# Altium PCB MCU.PcbDoc (continued)
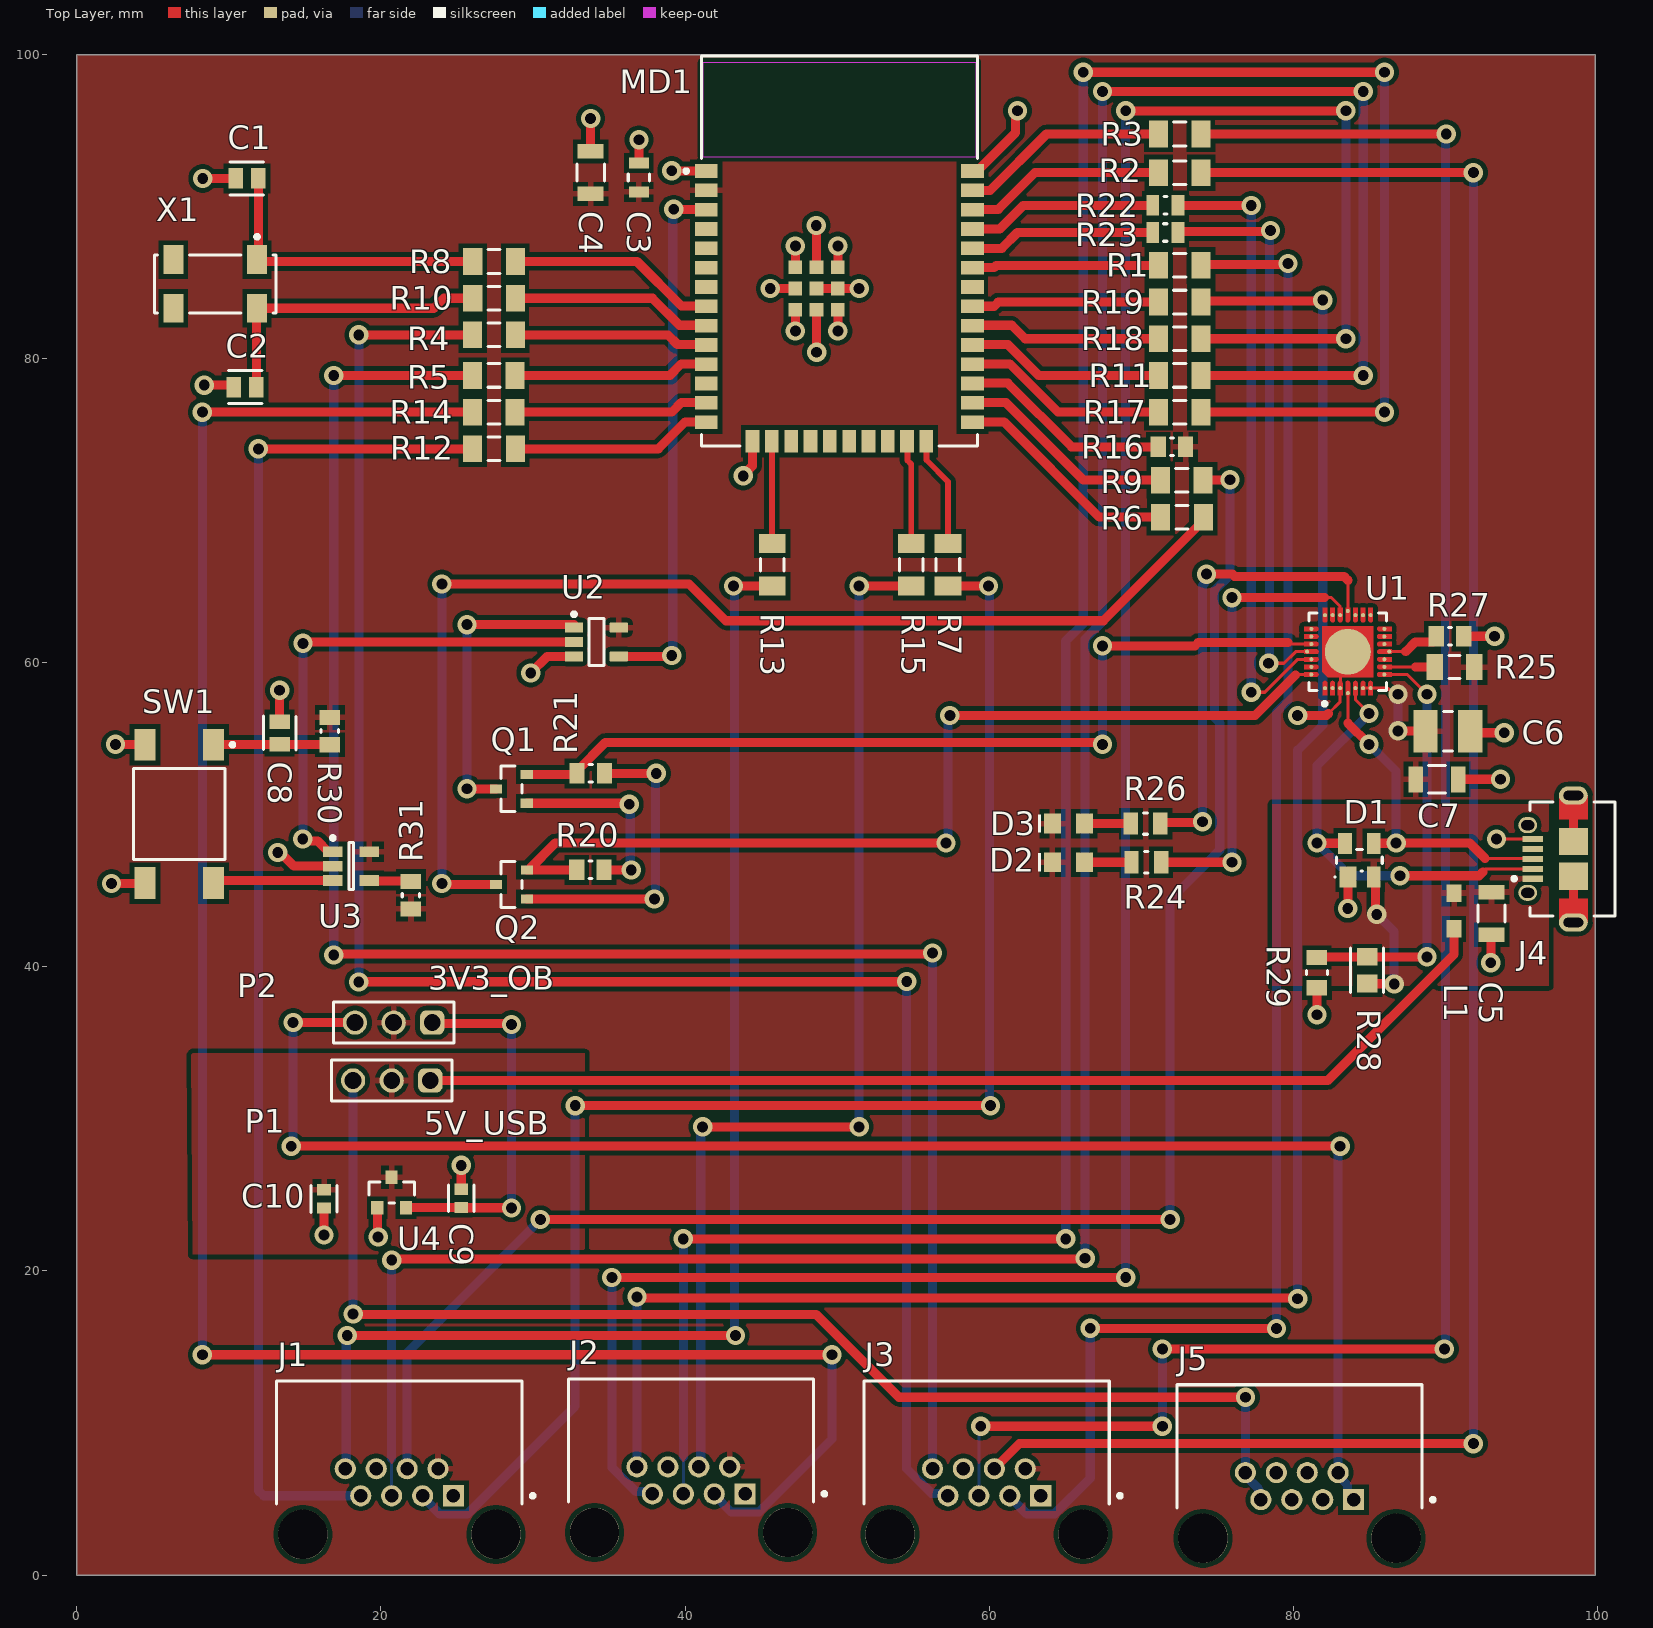
[diagram p0: Top Layer view]
## Part data (continued)
R22 R23: library part CMP-2001-04896-1, Case/Package=0805, Manufacturer="Vishay Dale", Max Operating Temperature=155°C, Min Operating Temperature=-55°C, Package Height=0.45mm, Package Length=2mm, Package Shape=Rectangular, Package Style=SMTMeter, Package Width=1.25mm, Power=125mW, Rated Temperature=70°C, Resistor Type="FIXED RESISTOR", Supplier Part Number=541-0.0ACT-ND, Category="Chip SMD Resistors", ComponentLink1Description=https://datasheet.ciiva.com:443/pdfs/VipMasterIC/IC/VISH/VISH-S-A0007266705/VISH-S-A0007266705-1.pdf?src-supplier=IHS+Markit, ComponentLink1URL=https://datasheet.ciiva.com:443/pdfs/VipMasterIC/IC/VISH/VISH-S-A0007266705/VISH-S-A0007266705-1.pdf?src-supplier=IHS+Markit, ComponentLink2Description=https://datasheet.ciiva.com/11811/0900766b80d98b26-11811304.pdf?src-supplier=Rs, ComponentLink2URL=https://datasheet.ciiva.com/11811/0900766b80d98b26-11811304.pdf?src-supplier=Rs, ComponentLink3Description=https://datasheet.ciiva.com/7841/1720486-7841839.pdf?src-supplier=Element14, ComponentLink3URL=https://datasheet.ciiva.com/7841/1720486-7841839.pdf?src-supplier=Element14, ComponentLink4Description=https://datasheet.ciiva.com/26314/fld-crcw-e3-data-en-26314630.pdf?src-supplier=Distrelec, ComponentLink4URL=https://datasheet.ciiva.com/26314/fld-crcw-e3-data-en-26314630.pdf?src-supplier=Distrelec, ComponentLink5Description=https://datasheet.ciiva.com/7841/1697337-7841629.pdf?src-supplier=Element14, ComponentLink5URL=https://datasheet.ciiva.com/7841/1697337-7841629.pdf?src-supplier=Element14, ComponentLink6Description=https://datasheet.ciiva.com/2463/dcrcwe3-2463038.pdf?src-supplier=Digikey, ComponentLink6URL=https://datasheet.ciiva.com/2463/dcrcwe3-2463038.pdf?src-supplier=Digikey, ComponentLink7Description=https://datasheet.ciiva.com/2463/dcrcwe3-2463039.pdf?src-supplier=Digikey, ComponentLink7URL=https://datasheet.ciiva.com/2463/dcrcwe3-2463039.pdf?src-supplier=Digikey, ComponentLink8Description=https://datasheet.ciiva.com/2463/dcrcwe3-2463037.pdf?src-supplier=Digikey, ComponentLink8URL=https://datasheet.ciiva.com/2463/dcrcwe3-2463037.pdf?src-supplier=Digikey, ComponentLink9Description=https://datasheet.ciiva.com/16719/70201119-16719706.pdf?src-supplier=Allied+Electronics, ComponentLink9URL=https://datasheet.ciiva.com/16719/70201119-16719706.pdf?src-supplier=Allied+Electronics, ComponentLink10Description=https://datasheet.ciiva.com/5543/dcrcwe3-109170-5543096.pdf?src-supplier=Mouser, ComponentLink10URL=https://datasheet.ciiva.com/5543/dcrcwe3-109170-5543096.pdf?src-supplier=Mouser, ComponentLink11Description=https://datasheet.ciiva.com/16389/dcrcwe3-16389338.pdf?src-supplier=Future+Electronics, ComponentLink11URL=https://datasheet.ciiva.com/16389/dcrcwe3-16389338.pdf?src-supplier=Future+Electronics, Construction=Chip, JESD-609 Code=e3, Manufacturer Part Number=CRCW08050000Z0EA, Mounting Technology="Surface Mount", Packaging="Tape and Reel", Part Number=CRCW08050000Z0EA, Pins=2, Pricing="1=0.1, 10=0.043, 25=0.0324, 50=0.0248, 100=0.0173, 250=0.01392, 500=0.01112, 1000=0.00819 (USD)", Reach SVHC Compliant=Yes, Reference Standard=AEC-Q200, RoHS=Yes, RoHS Compliant=Yes, Stock=996898, Supplier=Digikey, Technology="METAL GLAZE/THICK FILM", Terminal Finish=Nickel, Termination=Wraparound
R24 R26: library part CMP-2001-03823-2, "RES Thick Film, 330Ω, 1%, 0.125W, 100ppm/°C, 0805", Case Code (Imperial)=0805, Case Code (Metric)=2012, Manufacturer=Vishay, Max Operating Temperature=155°C, Max Power Dissipation=125mW, Min Operating Temperature=-55°C, Package Height=0.45mm, Package Length=2mm, Package Quantity=10, Package Shape=Rectangular, Package Style=SMTMeter, Package Width=1.25mm, Rated Temperature=70°C, Resistance=330R, Resistor Type="FIXED RESISTOR", Supplier Part Number=541-330CCT-ND, Temperature Coefficient=100ppm/°C, Tolerance=1%, Voltage Rating=150V, Case/Package=0805, Category="Chip SMD Resistors", ComponentLink1Description=https://datasheet.ciiva.com:443/pdfs/VipMasterIC/IC/VISH/VISH-S-A0007266705/VISH-S-A0007266705-1.pdf?src-supplier=IHS+Markit, ComponentLink1URL=https://datasheet.ciiva.com:443/pdfs/VipMasterIC/IC/VISH/VISH-S-A0007266705/VISH-S-A0007266705-1.pdf?src-supplier=IHS+Markit, Composition="Thick Film", Construction=Chip, Contact Plating=Tin, Depth=1.25mm, Features="Automotive AEC-Q200", Height=0.02inch, JESD-609 Code=e3, Lead Free="Lead Free", Length=2mm, Manufacturer Part Number=CRCW0805330RFKEA, Military Standard=Not, Mount="Surface Mount", Mounting Technology="Surface Mount", Number of Terminations=2, Packaging="Tape and Reel", Pins=2, Power=125mW, Power Rating=125mW, Pricing="1=0.1, 10=0.038, 50=0.0248, 100=0.021, 500=0.01462, 1000=0.01273 (USD)", Reach SVHC Compliant=Yes, Reference Standard=AEC-Q200, RoHS=Yes, RoHS Compliant=Yes, Stock=41783, Supplier=Digikey, Technology="METAL GLAZE/THICK FILM", Terminal Finish=Nickel, Termination=SMD/SMT, Voltage Rating (DC)=150V, Weight=0.000194oz, Width=0.049inch, Working Voltage=150V
R25: library part CMP-2003-02566-1, Case/Package=1206, Manufacturer=Susumu, Max Operating Temperature=155°C, Min Operating Temperature=-55°C, Package Height=0.5mm, Package Length=3.2mm, Package Shape=Rectangular, Package Style=SMTMeter, Package Width=1.6mm, Power=250mW, Rated Temperature=85°C, Resistor Type="FIXED RESISTOR", Supplier Part Number=RG32P2.0KBCT-ND, Temperature Coefficient=25ppm/°C, Tolerance=0.1%, Working Voltage=150V, Additional Feature="ULTRA PRECISION", Category="Chip SMD Resistors", ComponentLink1Description=https://datasheet.ciiva.com:443/pdfs/VipMasterIC/IC/SUSU/SUSUS00222/SUSUS00222-1.pdf?src-supplier=IHS+Markit, ComponentLink1URL=https://datasheet.ciiva.com:443/pdfs/VipMasterIC/IC/SUSU/SUSUS00222/SUSUS00222-1.pdf?src-supplier=IHS+Markit, ComponentLink2Description=https://datasheet.ciiva.com/2490/rg-rm-rgh-datasheet-2490469.pdf?src-supplier=Digikey, ComponentLink2URL=https://datasheet.ciiva.com/2490/rg-rm-rgh-datasheet-2490469.pdf?src-supplier=Digikey, ComponentLink3Description=https://datasheet.ciiva.com/7984/1369790-7984253.pdf?src-supplier=Element14, ComponentLink3URL=https://datasheet.ciiva.com/7984/1369790-7984253.pdf?src-supplier=Element14, Construction=Chip, JESD-609 Code=e3, Manufacturer Part Number=RG3216P-2001-B-T1, Mounting Technology="Surface Mount", Packaging="Tape and Reel", Part Number=RG3216P-2001-B-T1, Pins=2, Pricing="1=0.39, 10=0.285, 50=0.2202, 100=0.1956, 500=0.14638 (USD)", RoHS=Yes, RoHS Compliant=Yes, Stock=9791, Supplier=Digikey, Technology="METAL FILM", Terminal Finish=Tin, Termination=Wraparound
R28: library part CMP-26527-001411-1, "22.1kΩ ±1% 0.125W 0805 Thick Film Chip Resistor AEC-Q200 compliant", Case Code (Imperial)=0805, Case Code (Metric)=2012, Manufacturer="Stackpole Electronics", Max Operating Temperature=155°C, Max Power Dissipation=125mW, Min Operating Temperature=-55°C, Package Height=0.5mm, Package Length=2mm, Package Shape=Rectangular, Package Style=SMTMeter, Package Width=1.25mm, Rated Temperature=70°C, Resistance=22.1kR, Resistor Type="Thick Film", Supplier Part Number=RMCF0805FT22K1CT-ND, Temperature Coefficient=100ppm/°C, Tolerance=1%, Working Voltage=150V, Case/Package=0805, Category="Chip SMD Resistors", ComponentLink1Description=https://datasheet.ciiva.com:443/pdfs/VipMasterIC/IC/SEIE/SEIE-S-A0009541969/SEIE-S-A0009541969-1.pdf?src-supplier=IHS+Markit, ComponentLink1URL=https://datasheet.ciiva.com:443/pdfs/VipMasterIC/IC/SEIE/SEIE-S-A0009541969/SEIE-S-A0009541969-1.pdf?src-supplier=IHS+Markit, ComponentLink2Description=https://datasheet.ciiva.com/15193/getdatasheetpartid-409700-15193558.pdf?src-supplier=Verical, ComponentLink2URL=https://datasheet.ciiva.com/15193/getdatasheetpartid-409700-15193558.pdf?src-supplier=Verical, Construction=Rectangular, Contact Plating=Tin, Depth=1.25mm, Features="Automotive AEC-Q200", Height=0.026inch, JESD-609 Code=e3, Lead Free="Lead Free", Length=0.079inch, Manufacturer Part Number=RMCF0805FT22K1, Military Standard=Not, Mount="Surface Mount", Mounting Technology="Surface Mount", Number of Terminations=2, Packaging="Tape and Reel", Pins=2, Power=125mW, Power Rating=125mW, Pricing="1=0.1, 10=0.02, 50=0.0124, 100=0.0103, 500=0.007, 1000=0.00601 (USD)", Radiation Hardening=No, Reach SVHC Compliant=Yes, Reference Standard=AEC-Q200, RoHS=Yes, RoHS Compliant=Yes, Series=RMCF, Size Code=0805, Stock=745768, Supplier=Digikey, Technology="METAL GLAZE/THICK FILM", Terminal Finish=Nickel, Termination=Wraparound, Width=0.049inch
R29: library part CMP-03211-007667-1, "SMD Chip Resistor, Thin Film, 47.5KΩ, 100 V, 0805 [2012 Metric], 100 mW, 0.1%, RN73 Series", Case/Package=0805, Manufacturer="TE Connectivity", Manufacturer Series=RN73, Max Operating Temperature=125°C, Min Operating Temperature=-55°C, Package=RN732A, Package Shape=Rectangular, Power=100mW, Power Rating=0.1W, Rated Temperature=70°C, Resistance=47.5KΩ, Resistor Type="FIXED RESISTOR", Supplier Part Number=A119902CT-ND, Temperature="-55°C to 155°C", Temperature Coefficient=10ppm/°C, Temperature Range High=155°C, Tolerance=0.1%, Voltage Rating=100V, Additional Feature=PRECISION, Automotive=No, Category=Res, ComponentLink1Description=https://datasheet.ciiva.com:443/pdfs/VipMasterIC/IC/TYEC/TYECS00448/TYECS00448-1.pdf?src-supplier=IHS+Markit, ComponentLink1URL=https://datasheet.ciiva.com:443/pdfs/VipMasterIC/IC/TYEC/TYECS00448/TYECS00448-1.pdf?src-supplier=IHS+Markit, ComponentLink2Description=Datasheet, ComponentLink2URL=https://www.te.com/commerce/DocumentDelivery/DDEController?Action=showdoc&DocId=Data+Sheet%7F1773270%7FP%7Fpdf%7FEnglish%7FENG_DS_1773270_P.pdf%7F1676162-2, ComponentLink3Description=https://datasheet.ciiva.com/2547/eng-ds-1773270-m-2547934.pdf?src-supplier=Digikey, ComponentLink3URL=https://datasheet.ciiva.com/2547/eng-ds-1773270-m-2547934.pdf?src-supplier=Digikey, Composition="Thin Film", Device Class L1="Passive Components", Device Class L2=Resistors, Device Class L3="Chip SMD Resistors", Height=0.65mm, Ipc Land Pattern Name=RESC200125X55, Lead Free=Yes, Manufacturer Part Number=RN73C2A47K5BTD, Mounting Technology="Surface Mount", Octopart=https://octopart.com/rn73c2a47k5btd-te+connectivity-22736876, octopart_url=https://octopart.com/rn73c2a47k5btd-te+connectivity-22736876, Packaging="5000 Reel", Pins=2, Pricing="1=0.73, 10=0.521, 50=0.3986, 100=0.3526, 500=0.26204, 1000=0.22944 (USD)", RoHS=TRUE, RoHS Compliant=Yes, Series=RN73, Stock=2760, Supplier=Digikey, Technology="THIN FILM", Temperature Range Low=-55°C, Termination=Wraparound, Working Voltage=100V
SW1: library part CMP-2000-07486-1, "Micro Miniature Push Button Switch FSM JSM, 50 mA, -35 to 85 degC, 4-Pin SMD, RoHS, Tape and Reel", Capacitance=0f, Case\/Package=SMD/SMT, Contact Current Rating=50mA, Contact DC Max Rating R Load=.05A@12VDC, Contact Resistance=100mOhm, Contact Voltage(DC)-Max=12V, Manufacturer="TE Connectivity", Max Operating Temperature=85degC, Min Operating Temperature=-35degC, Operating Force=160gf, Operating Force-Max=2.06N, Package Description="4-Pin Surface Mount Device, Body 6 x 6 mm, Pitch 4.5 mm", Package Quantity=1200, Supplier Part Number=450-1759-1-ND, Voltage Rating (DC)=24V, Actuator Length=0.055inch, Actuator Material=Polyamide, Body Breadth=6inch, Body Height=3.6mm, Body Length or Diameter=6mm, Category="Pushbutton Switches", Circuit Configuration=1X1, ComponentLink1Description=https://datasheet.ciiva.com:443/pdfs/VipMasterIC/IC/TYEL/TYEL-S-A0008743874/TYEL-S-A0008712894-1.pdf?src-supplier=IHS+Markit, ComponentLink1URL=https://datasheet.ciiva.com:443/pdfs/VipMasterIC/IC/TYEL/TYEL-S-A0008743874/TYEL-S-A0008712894-1.pdf?src-supplier=IHS+Markit, ComponentLink2Description=https://datasheet.ciiva.com/5801/eng-cd-2-1437565-7-u2-5801346.pdf?src-supplier=Farnell, ComponentLink2URL=https://datasheet.ciiva.com/5801/eng-cd-2-1437565-7-u2-5801346.pdf?src-supplier=Farnell, ComponentLink3Description=https://datasheet.ciiva.com/23765/1486934-23765878.pdf?src-supplier=Newark, ComponentLink3URL=https://datasheet.ciiva.com/23765/1486934-23765878.pdf?src-supplier=Newark, ComponentLink4Description=https://datasheet.ciiva.com/1530/1683375-1530944.pdf?src-supplier=Element14, ComponentLink4URL=https://datasheet.ciiva.com/1530/1683375-1530944.pdf?src-supplier=Element14, ComponentLink5Description=https://datasheet.ciiva.com/16320/eng-cs-1308111-1-switches-core-program-catalog-0308-16320065.pdf?src-supplier=Future+Electronics, ComponentLink5URL=https://datasheet.ciiva.com/16320/eng-cs-1308111-1-switches-core-program-catalog-0308-16320065.pdf?src-supplier=Future+Electronics, ComponentLink6Description=https://datasheet.ciiva.com/7638/921681-7638037.pdf?src-supplier=Element14, ComponentLink6URL=https://datasheet.ciiva.com/7638/921681-7638037.pdf?src-supplier=Element14, Contact Current(DC)-Max=50mA, Contact Material=CopperAlloy, Contact Plating=Silver, Current Rating=50mA, Datasheet URL=http://www.te.com/commerce/DocumentDelivery/DDEController?Action=showdoc&DocId=Customer+Drawing%7F2-1437565-7%7FV%7Fpdf%7FEnglish%7FENG_CD_2-1437565-7_V.pdf%7F4-1437565-2, Datasheet Version="Rev. V, 02/2015", Electrical Life=100000Cycles, Illumination Type=Illuminated, JESD-609 Code=e4, Manufacturer Part Number=FSM4JSMATR, Manufacturer URL=http://www.te.com/, Max Voltage Rating (DC)=12V, Mechanical Life=100000Cycles, Mount=SurfaceMount, Mounting Technology=SurfaceMount, Number of Switches=1, Orientation=Straight, Package Reference=FSM4JSMATR, Packaging=TapeandReel, Pricing="1=0.36, 10=0.351, 25=0.33, 100=0.2866, 250=0.26, 500=0.24188 (USD)", REACH SVHC=Unknown, Reach SVHC Compliant=Yes, RoHS=Yes, RoHS Compliant=Yes, RoHSCompliant=true, Stock=69097, Supplier=Digikey, Switch Action=MOMENTARY-TACTILE, Switch Function=SPST, Switch Travel=0.25mm, Switch Type=Keypad, Terminal Finish=Silver, Termination=GullWing, Throw Configuration=SPST
U1: library part CMP-08093-000007-1, "IC USB TO UART BRIDGE QFN28"
U2: library part CMP-0859-00053-3, "Single 2-Input Positive-AND Gate, DBV0005A, LARGE T&R", F @ Nom Voltage(Max)(Mhz)=150, Generic Part Number=SN74LVC1G08, ICC @ Nom Voltage(Max)(mA)=0.01, Manufacturer="Texas Instruments", Operating Temperature Range(C)="-40 to 125,-40 to 85", Rating=Catalog, tpd @ Nom Voltage(Max)(ns)=4.5,6,4,5, Voltage(Nom)(V)=1.8,2.5,3.3,5, 3-State Output=No, Bits(#)=1, DatasheetVersion=SCES217Y, Gate Type=AND, Input Type=CMOS/TTL, Logic=True, Output Drive (IOL/IOH)(Max)(mA)=32/-32, Output Type=CMOS, PackageReference=DBV0005A, Schmitt Trigger=No, Sub-Family="AND Gate", Technology Family=LVC, VCC(Max)(V)=5.5, VCC(Min)(V)=1.65
U3: library part CMP-0138-00207-1, "Voltage Supervisor, 5-Pin SOT-23, Extended Temperature, Tape and Reel", Code_IPC=SOT23-5, DatasheetVersion="revB, Oct-2007", PackageDescription="5-Lead Plastic Small Outline Transistor (OT) [SOT-23]", PackageReference=SOT-23-OT5, PackageVersion="revBB, Aug-2009"
U4: library part CMP-12756-000008-1, "IC REG LINEAR 3.3V 150MA SOT23", Case/Package=TSSOP, Dropout Voltage=300mV, Input Voltage Absolute-Max=6.5V, Manufacturer="Diodes Inc.", Max Junction Temp=+85°C, Max Supply Voltage=6V, Min Input Voltage=2V, Nominal Supply Current=25uA, Operating Temperature, TJ-Max=85°C, Operating Temperature, TJ-Min=-40°C, Output Current=150mA, Output Current1-Max=100mA, Output Voltage=3.3V, Output Voltage1-Max=3.366V, Output Voltage1-Min=3.234V, Package=SOT23, Package Body Material=Plastic, Package Equivalence Code=TO-236, Package Shape=Rectangular, Package Style="SMALL OUTLINE, THIN PROFILE, SHRINK PITCHMeter", Peak Reflow Temperature (Cel)=260°C, Supplier Part Number=AP2120N-3.3TRG1DICT-ND, Temperature="-40°C to +85°C", Time @ Peak Reflow Temperature-Max (s)=30s, Voltage Tolerance-Max=2%, Accuracy Percentage=2%, Adjustability=FIXED, Automotive=No, Category=IC, Channels=1, ComponentLink1Description=https://datasheet.ciiva.com:443/pdfs/VipMasterIC/IC/DIOD/DIOD-S-A0008513436/DIOD-S-A0008513436-1.pdf?src-supplier=IHS+Markit, ComponentLink1URL=https://datasheet.ciiva.com:443/pdfs/VipMasterIC/IC/DIOD/DIOD-S-A0008513436/DIOD-S-A0008513436-1.pdf?src-supplier=IHS+Markit, ComponentLink2Description=Datasheet, ComponentLink2URL=https://www.diodes.com/assets/Package-Files/SOT23.pdf, ComponentLink3Description=https://datasheet.ciiva.com/29569/ap2120-29569979.pdf?src-supplier=Digikey, ComponentLink3URL=https://datasheet.ciiva.com/29569/ap2120-29569979.pdf?src-supplier=Digikey, ComponentLink4Description=https://datasheet.ciiva.com/29569/ap2120-29569977.pdf?src-supplier=Digikey, ComponentLink4URL=https://datasheet.ciiva.com/29569/ap2120-29569977.pdf?src-supplier=Digikey, ComponentLink5Description=https://datasheet.ciiva.com/30016/ap2120-30016809.pdf?src-supplier=Avnet, ComponentLink5URL=https://datasheet.ciiva.com/30016/ap2120-30016809.pdf?src-supplier=Avnet, ComponentLink6Description=https://datasheet.ciiva.com/29569/ap2120-29569978.pdf?src-supplier=Digikey, ComponentLink6URL=https://datasheet.ciiva.com/29569/ap2120-29569978.pdf?src-supplier=Digikey, Device Class L1="Integrated Circuits (ICs)", Device Class L2="Power Management ICs", Device Class L3="Voltage Regulators - Linear", Digikey Description="IC REG LINEAR 3.3V 150MA SOT23", Dropout Voltage1-Max=300mV, Dropout Voltage1-Nom=300mV, Footprint Url=https://www.diodes.com/assets/Package-Files/SOT23.pdf, Height=1.1mm, Height - Seated (Max)=1.2mm, Ipc Land Pattern Name=SOT92P240X102-3, JESD-30 Code=R-PDSO-G3, JESD-609 Code=e3, Lead Free=Yes, Length=2.9mm, Line Regulation-Max=0.016%, Load Regulation-Max=0.04%, Manufacturer Part Number=AP2120N-3.3TRG1, Min Supply Voltage=2V, Moisture Sensitivity Level=3, Mouser Description="AP2120 Series 3.3 V 0.15 A Surface Mount CMOS LDO Regulator - SOT23", Number Of Outputs=1, Octopart=https://octopart.com/ap2120n-3.3trg1-diodes+inc.-30954573, Output Type=Fixed, Output Voltage1-Nom=3.3V, Packaging="Tape and Reel", Pins=3, Pricing="1=0.38, 10=0.281, 25=0.246, 100=0.1592, 250=0.1318, 500=0.10544, 1000=0.08084 (USD)", Qualification Status="Not Qualified", Reach SVHC Compliant=Yes, Regulator Type="FIXED POSITIVE SINGLE OUTPUT LDO REGULATOR", RoHS=TRUE, RoHS Compliant=Yes, Standoff Height=0.013mm, Stock=948887, Supplier=Digikey, Surface Mount=Yes, Technology=CMOS, Temperature Range High=+85°C, Temperature Range Low=-40°C, Terminal Finish=Tin, Terminal Form="Gull Wing", Terminal Pitch=0.95mm, Terminal Position=DUAL, Width=1.3mm
X1: library part CMP-2000-05036-1, "Low Frequency Crystal, 32.768 KHz, 6 pF, +/- 20 ppm, -40 to 85 degC, 4-Pin SMD, RoHS, Tape and Reel", Case Height=2.5mm, Case Length=8mm, Case Width=3.8mm, Frequency=32.768kHz, Load Capacitance=6pF, Manufacturer=Abracon, Operating Temperature Range=-40Cto+85C, Package / Case=8mmx3.8mm, Package Description="4-Pin Surface Mount Device, Body 8 x 3.8 mm, Pitch 5.5 mm", Package Reference=ABS25, Tolerance=20PPM, Brand=ABRACON, Datasheet URL=https://datasheet.ciiva.com/854/abs25-854528.pdf, Datasheet Version=Jun-17, Dimensions=3.8mmWx8mmLx2.5mmH, ESR=50kOhms, Factory Pack Quantity=3000, Manufacturer URL=http://www.abracon.com/, Mounting Style=SMD/SMT, Packaging=Reel, Product Category=Crystals, RoHS=Details, Series=ABS25, Termination Style=SMD/SMT, Type=LowFrequencyCrystal

## Via types
v1: diameter 1.27, hole 0.711, Top Layer to Bottom Layer, 123 vias

## Nets (pads, with @x,y where several pads share a name; then routed paths per layer and width w, separated by ;. In a path a pad name is that pad's centre, name@x,y a point inside that pad or via, vN(x,y) a via of type N, cw(c..) or ccw(c..) an arc to the next point about the centre after c; other vN are vias at no path point)
3V3: C3.1 C4.1 C6.2 C7.1 D2.1 D3.1 J1.2 J2.2 J3.2 MD1.2 P2.2 R16.2 R25.2 R30.2 R31.1 U1.6 U1.7 U2.5 U3.5 | length 6.7
  Top Layer w0.2: U1.6 U1.7 ; U1.7@85.078,58.294 U1.7 ; v1(86.868,57.912) 86.578,57.912 86.184,58.306 U1.7 ; C6.2@88.657,55.499 C6.2
  Top Layer w0.6: v1(86.868,55.499) C6.2@88.657,55.499
  Bottom Layer w0.6: v1(86.868,55.499) v1(86.868,57.912)
3V3_EXT: J5.1 J5.2 P2.3 | length 104.9
  Top Layer w0.6: v1(14.097,28.194) v1(83.058,28.194) ; v1(14.224,36.322) P2.3
  Bottom Layer w0.6: v1(14.097,28.194) 14.224,28.321 v1(14.224,36.322) ; v1(83.058,28.194) 82.931,28.067 J5.2 82.931,6.517 83.552,5.896 83.552,5.348 J5.1
3V3_OB: C9.1 P2.1 U4.2 | length 24.3
  Top Layer w0.6: U4.2 21.661,24.156 25.264,24.156 C9.1 25.291,24.148 28.557,24.148 v1(28.575,24.13) ; P2.1 23.431,36.258 28.511,36.258 v1(28.575,36.195)
  Bottom Layer w0.6: v1(28.575,24.13) v1(28.575,36.195)
5V: C10.1 P1.2 U4.3 | length 0.1
  Top Layer w0.6: C10.1 C10.1@16.283,25.357 ; U4.3@20.674,26.119 U4.3
5V_EXT: J5.7 J5.8 P1.3 | length 83.4
  Top Layer w0.6: v1(18.167,17.166) 18.196,17.137 48.603,17.137 54.056,11.684 v1(76.835,11.684)
  Bottom Layer w0.6: P1.3 18.164,32.509 18.164,17.169 v1(18.167,17.166) ; v1(76.835,11.684) 76.835,6.517 77.7,5.652 77.7,5.104 J5.7
5V_IN: C5.1 D1.2 J4.1 L1.2 R28.1 | length 9.4
  Top Layer w0.6: R28.1 84.849,38.875 86.601,38.875 v1(86.614,38.862) ; D1.2 85.374,45.793 85.374,43.531 v1(85.471,43.434)
  Bottom Layer w0.6: v1(85.471,43.434) 86.614,42.291 v1(86.614,38.862)
5V_USB: L1.1 P1.1 | length 72.4
  Top Layer w0.6: P1.1 82.25,32.512 90.551,40.813 L1.1
CP_RST: R25.1 U1.9 | length 3.3
  Top Layer w0.2: U1.9 87.995,59.706 88.011,59.69
  Top Layer w0.6: 88.011,59.69 R25.1
CP_SUSPEND: R27.2 U1.11 | length 3.6
  Top Layer w0.2: U1.11 87.376,60.706
  Top Layer w0.6: 87.376,60.706 88.017,61.347 89.186,61.347 89.386,61.547 R27.2
CP_VBUS: R28.2 R29.2 U1.8 | length 27.9
  Top Layer w0.2: U1.8 87.479,59.206 v1(88.773,57.912)
  Top Layer w0.6: R29.2 81.55,40.624 84.82,40.624 R28.2 v1(88.773,40.64)
  Bottom Layer w0.6: v1(88.773,40.64) v1(88.773,57.912)
DTR: Q2.2 R20.1 U1.28 | length 64.8
  Top Layer w0.2: 80.137,59.182 80.161,59.206 U1.28
  Top Layer w0.6: Q2.2 29.691,46.35 Q2.2@29.696,46.355 ; R20.1 Q2.2@29.696,46.355 ; v1(57.15,48.133) 31.474,48.133 Q2.2@29.696,46.355 ; v1(57.404,56.515) 77.47,56.515 80.137,59.182
  Bottom Layer w0.6: v1(57.15,48.133) 57.277,48.26 57.277,56.388 v1(57.404,56.515)
DTR_GATE: Q1.1 R20.2 | length 12.9
  Top Layer w0.6: Q1.1 36.256,50.739 v1(36.322,50.673) ; R20.2 v1(36.449,46.355)
  Bottom Layer w0.6: v1(36.322,50.673) 36.386,50.609 36.386,46.419 v1(36.449,46.355)
EN: MD1.3 U2.4 | length 35
  Top Layer w0.6: U2.4 39.055,60.391 v1(39.116,60.452) ; v1(39.243,89.789) 39.255,89.777 41.376,89.777 MD1.3
  Bottom Layer w0.6: v1(39.116,60.452) 39.179,60.515 39.179,89.725 v1(39.243,89.789)
GND: C1.1 C2.1 C3.2 C4.2 C5.2 C6.1 C7.2 C8.2 C9.2 C10.2 D1.1 J1.1 J1.6 J2.1 J2.6 J3.1 J3.6 J4.5 J4.6 J4.7 J4.8 J4.9 J4.10 J4.11 J5.4 J5.5 MD1.1 MD1.15 MD1.38 MD1.39 R27.1 R29.1 SW1.3 SW1.4 U1.3 U1.29 U2.3 U3.2 U4.1 | length 80.3
  Top Layer w0.2: 82.296,56.642 83.066,57.412 U1.3 83.079,58.319 83.079,60.219 U1.29 ; v1(93.345,48.387) 93.349,48.383 95.716,48.383 J4.5
  Top Layer w0.381: C2.1@10.184,78.232 C2.1
  Top Layer w0.6: v1(2.286,45.466) 4.459,45.466 SW1.4 ; v1(2.54,54.61) 4.459,54.61 SW1.3 ; v1(8.279,91.821) C1.1 ; v1(8.382,78.232) C2.1@10.184,78.232 ; v1(13.208,47.498) 13.389,47.498 14.278,46.609 U3.2 ; C8.2 v1(13.335,58.166) ; v1(16.256,22.352) C10.2 ; U4.1 19.781,24.115 19.781,22.256 v1(19.812,22.225) ; C9.2 v1(25.273,26.932) ; v1(29.845,59.309) 29.852,59.309 30.934,60.391 U2.3 ; C4.2 v1(33.782,95.758) ; C3.2 v1(36.957,94.361) ; v1(39.116,92.329) 39.128,92.317 41.376,92.317 MD1.1 ; v1(43.815,72.263) 43.815,72.311 44.428,72.924 MD1.15 ; v1(45.593,84.582) 45.594,84.583 47.236,84.583 MD1.39@47.238,84.585 ; MD1.39@47.238,83.185 47.241,83.182 47.241,81.791 v1(47.244,81.788) ; MD1.39@47.238,85.985 47.241,85.988 47.241,87.373 v1(47.244,87.376) ; v1(48.616,88.732) 48.627,88.721 48.627,85.996 MD1.39@48.638,85.985 ; MD1.39@48.638,83.185 48.64,83.183 48.64,80.392 v1(48.641,80.391) ; MD1.39@48.638,84.585 50.038,84.585 50.04,84.583 51.434,84.583 v1(51.435,84.582) ; v1(50.038,81.788) MD1.39@50.038,83.185 ; MD1.39@50.038,85.985 v1(50.038,87.376) ; MD1.38 59.188,92.305 61.721,94.838 61.721,96.138 v1(61.849,96.266) ; v1(80.264,56.515) 82.169,56.515 82.296,56.642 ; v1(81.534,36.83) R29.1 ; v1(83.566,43.815) 83.572,43.821 83.572,45.884 D1.1 ; C7.2 90.839,52.318 93.593,52.318 v1(93.599,52.324) ; R27.1 v1(93.218,61.722) ; C6.1 91.734,55.372 v1(93.853,55.372) ; v1(92.964,40.259) 92.988,40.283 92.988,42.072 C5.2 ; J4.8 J4.9 ; J4.10 J4.11
IO0: Q2.3 R6.1 | length 77.3
  Top Layer w0.6: v1(24.003,45.466) 24.069,45.4 Q2.3 ; v1(24.003,65.151) 40.259,65.151 42.672,62.738 67.499,62.738 74.062,69.301 R6.1
  Bottom Layer w0.6: v1(24.003,45.466) v1(24.003,65.151)
IO0_MCU: MD1.25 R6.2 | length 15
  Top Layer w0.381: MD1.25 MD1.25@58.912,75.819
  Top Layer w0.6: MD1.25@58.912,75.819 60.96,75.819 67.228,69.551 R6.2
IO2: J1.3 R7.1 | length 97.4
  Top Layer w0.6: v1(32.766,30.861) v1(60.071,30.861) ; R7.1 57.28,65.021 59.941,65.021 v1(59.944,65.024)
  Bottom Layer w0.6: J1.3 22.733,5.142 23.863,4.012 25.667,4.012 32.766,11.111 v1(32.766,30.861) ; v1(59.944,65.024) 60.008,64.96 60.008,30.924 v1(60.071,30.861)
IO2_MCU: MD1.24 R7.2 | length 7.3
  Top Layer w0.381: MD1.24 55.858,73.301 57.277,71.882 R7.2
IO4: J1.4 R9.1 | length 113.8
  Top Layer w0.6: v1(30.48,23.368) v1(71.882,23.368) ; R9.1 74.06,71.998 75.808,71.998 v1(75.819,72.009)
  Bottom Layer w0.6: J1.4 21.717,14.605 v1(30.48,23.368) ; v1(71.882,23.368) 71.882,44.404 75.146,47.668 75.146,56.033 74.811,56.368 74.811,64.732 75.819,65.74 v1(75.819,72.009) v1@75.882,71.945
IO4_MCU: MD1.26 R9.2 | length 14.5
  Top Layer w0.381: MD1.26 MD1.26@58.912,77.089
  Top Layer w0.6: MD1.26@58.912,77.089 61.087,77.089 66.189,71.987 R9.2
IO5: J1.5 R11.1 | length 184.8
  Top Layer w0.6: v1(20.701,20.701) 20.764,20.764 66.23,20.764 v1(66.294,20.828) ; v1(67.437,97.536) v1(84.582,97.536) ; R11.1 v1(84.582,78.867)
  Bottom Layer w0.2: J1.5 20.701,7.659
  Bottom Layer w0.6: 20.701,7.659 v1(20.701,20.701) ; v1(66.294,20.828) 66.294,61.549 67.437,62.692 v1(67.437,97.536) ; v1(84.582,78.867) v1(84.582,97.536)
IO5_MCU: MD1.29 R11.2 | length 13.1
  Top Layer w0.381: MD1.29 MD1.29@58.912,80.899
  Top Layer w0.6: MD1.29@58.912,80.899 61.214,80.899 63.246,78.867 R11.2
IO12: J1.7 R12.1 | length 89.5
  Top Layer w0.6: v1(11.938,74.041) R12.1
  Bottom Layer w0.6: v1(11.938,74.041) 11.938,5.558 12.289,5.207 J1.7
IO12_MCU: MD1.14 R12.2 | length 13.3
  Top Layer w0.381: MD1.14@41.364,75.819 MD1.14
  Top Layer w0.6: R12.2 38.227,74.041 40.005,75.819 MD1.14@41.364,75.819
IO13: J1.8 R13.1 | length 86.2
  Top Layer w0.6: v1(17.78,15.748) v1(43.307,15.748) ; v1(43.18,65.024) 43.183,65.021 45.717,65.021 R13.1
  Bottom Layer w0.6: J1.8 17.716,7.048 17.716,15.684 v1(17.78,15.748) ; v1(43.18,65.024) 43.243,64.96 43.243,15.811 v1(43.307,15.748)
IO13_MCU: MD1.16 R13.2 | length 6.7
  Top Layer w0.381: MD1.16 45.698,67.84 R13.2
IO14: J2.3 R14.1 | length 136.9
  Top Layer w0.6: v1(8.255,14.478) v1(49.657,14.478) ; v1(8.255,76.454) R14.1
  Bottom Layer w0.6: v1(8.255,14.478) v1(8.255,76.454) ; J2.3 41.91,5.269 43.04,4.139 44.844,4.139 49.657,8.952 v1(49.657,14.478)
IO14_MCU: MD1.13 R14.2 | length 12.8
  Top Layer w0.381: MD1.13@41.364,77.089 MD1.13
  Top Layer w0.6: R14.2 39.116,76.454 39.751,77.089 MD1.13@41.364,77.089
IO15: J2.4 R15.1 | length 71.7
  Top Layer w0.6: v1(41.148,29.464) v1(51.435,29.464) ; v1(51.435,65.024) 51.437,65.022 54.863,65.022 R15.1
  Bottom Layer w0.6: J2.4 41.021,7.239 41.021,29.337 v1(41.148,29.464) ; v1(51.435,29.464) v1(51.435,65.024)
IO15_MCU: MD1.23 R15.2 | length 6.8
  Top Layer w0.381: MD1.23 54.61,74.523 54.61,73.279 54.864,73.025 R15.2
IO16_MCU: MD1.27 R16.1 | length 14
  Top Layer w0.381: MD1.27 MD1.27@58.912,78.359
  Top Layer w0.6: MD1.27@58.912,78.359 61.214,78.359 65.405,74.168 R16.1
IO17: J2.5 R17.1 | length 173.3
  Top Layer w0.6: v1(39.878,22.098) v1(65.024,22.098) ; v1(66.167,98.806) v1(85.979,98.806) ; R17.1 v1(85.979,76.454)
  Bottom Layer w0.2: J2.5 39.878,7.747
  Bottom Layer w0.6: 39.878,7.747 v1(39.878,22.098) ; v1(65.024,22.098) 65.024,61.41 66.167,62.553 v1(66.167,98.806) ; v1(85.979,76.454) v1(85.979,98.806)
IO17_MCU: MD1.28 R17.2 | length 13.6
  Top Layer w0.381: MD1.28 MD1.28@58.912,79.629
  Top Layer w0.6: MD1.28@58.912,79.629 61.341,79.629 64.516,76.454 R17.2
IO18: J2.7 R18.1 | length 165.3
  Top Layer w0.6: v1(35.179,19.558) v1(68.961,19.558) ; v1(68.961,96.266) v1(83.439,96.266) ; R18.1 v1(83.439,81.28)
  Bottom Layer w0.6: v1(35.179,19.558) 35.179,7.073 36.767,5.485 37.695,5.485 J2.7 ; v1(68.961,19.558) v1(68.961,96.266) ; v1(83.439,81.28) v1(83.439,96.266)
IO18_MCU: MD1.30 R18.2 | length 12.6
  Top Layer w0.381: MD1.30 MD1.30@58.912,82.169
  Top Layer w0.6: MD1.30@58.912,82.169 61.468,82.169 62.357,81.28 R18.2
IO19: J2.8 R19.1 | length 129.1
  Top Layer w0.6: v1(36.83,18.288) 36.893,18.224 80.2,18.224 v1(80.264,18.161) ; R19.1 73.983,83.757 81.852,83.757 v1(81.915,83.82)
  Bottom Layer w0.6: J2.8 v1(36.83,18.288) ; v1(80.264,18.161) 80.264,54.229 81.915,55.88 v1(81.915,83.82)
IO19_MCU: MD1.31 R19.2 | length 12.3
  Top Layer w0.6: MD1.31 60.301,83.415 60.579,83.693 R19.2
IO21: J3.3 R1.2 | length 105
  Top Layer w0.6: v1(66.634,16.225) 66.643,16.216 78.862,16.216 v1(78.872,16.206) ; R1.2 73.977,86.169 79.566,86.169 v1(79.629,86.233)
  Bottom Layer w0.6: J3.3 61.341,5.142 62.471,4.012 64.275,4.012 66.634,6.371 v1(66.634,16.225) ; v1(78.872,16.206) 78.872,56.728 79.629,57.485 v1(79.629,86.233)
IO21_MCU: MD1.33 R1.1 | length 12.3
  Top Layer w0.6: MD1.33 60.301,85.955 60.452,86.106 R1.1
IO22: J3.4 R2.2 | length 133.6
  Top Layer w0.6: J3.4 61.976,8.636 v1(91.821,8.636) ; R2.2 v1(91.821,92.202)
  Bottom Layer w0.6: v1(91.821,8.636) v1(91.821,92.202)
IO22_MCU: MD1.36 R2.1 | length 13.2
  Top Layer w0.381: MD1.36 MD1.36@58.912,89.789
  Top Layer w0.6: MD1.36@58.912,89.789 60.579,89.789 62.992,92.202 R2.1
IO23: J3.5 R3.2 | length 136.2
  Top Layer w0.6: v1(59.436,9.779) v1(71.374,9.779) ; v1(71.374,14.859) v1(89.916,14.859) ; R3.2 v1(90.043,94.742)
  Bottom Layer w0.2: J3.5 59.33,5.228 59.33,9.673 v1(59.436,9.779)
  Bottom Layer w0.6: v1(71.374,9.779) v1(71.374,14.859) ; v1(89.916,14.859) 89.98,14.922 89.98,94.678 v1(90.043,94.742)
IO23_MCU: MD1.37 R3.1 | length 13.8
  Top Layer w0.6: MD1.37 60.047,91.035 63.754,94.742 R3.1
IO25: J3.7 R4.2 | length 121.5
  Top Layer w0.6: v1(18.542,38.989) 18.558,39.005 54.545,39.005 v1(54.561,39.021) ; v1(18.542,81.534) R4.2
  Bottom Layer w0.6: v1(18.542,38.989) v1(18.542,81.534) ; v1(54.561,39.021) 54.561,6.995 56.198,5.358 57.126,5.358 J3.7
IO25_MCU: MD1.10 R4.1 | length 12.8
  Top Layer w0.381: MD1.10@41.364,80.899 MD1.10
  Top Layer w0.6: R4.1 38.862,81.534 39.497,80.899 MD1.10@41.364,80.899
IO26: J3.8 R5.2 | length 120.6
  Top Layer w0.6: v1(16.891,40.767) 16.954,40.831 56.197,40.831 v1(56.261,40.894) ; v1(16.891,78.867) R5.2
  Bottom Layer w0.6: v1(16.891,40.767) v1(16.891,78.867) ; J3.8 v1(56.261,40.894)
IO26_MCU: MD1.11 R5.1 | length 12.9
  Top Layer w0.381: MD1.11@41.364,79.629 MD1.11
  Top Layer w0.6: R5.1 38.989,78.867 39.751,79.629 MD1.11@41.364,79.629
IO32: C1.2 R8.2 X1.1 | length 19.6
  Top Layer w0.381: X1.1 X1.1@11.938,86.575
  Top Layer w0.6: X1.1 11.977,86.36 R8.2 ; X1.1@11.938,86.575 C1.2
IO32_MCU: MD1.8 R8.1 | length 13.8
  Top Layer w0.381: MD1.8@41.364,83.439 MD1.8
  Top Layer w0.6: R8.1 36.83,86.36 39.751,83.439 MD1.8@41.364,83.439
IO33: C2.2 R10.2 X1.4 | length 19.7
  Top Layer w0.381: X1.4@11.811,83.248 X1.4
  Top Layer w0.6: C2.2 X1.4@11.811,83.248 ; X1.4 23.47,83.287 24.13,83.947 R10.2
IO33_MCU: MD1.9 R10.1 | length 13.3
  Top Layer w0.381: MD1.9@41.364,82.169 MD1.9
  Top Layer w0.6: R10.1 37.846,83.947 39.624,82.169 MD1.9@41.364,82.169
M_RST: C8.1 R30.1 SW1.1 | length 7.7
  Top Layer w0.6: SW1.1 9.003,54.61 C8.1 13.346,54.599 16.626,54.599 R30.1
MCP_RST: SW1.2 U3.3 | length 7.9
  Top Layer w0.6: SW1.2 9.152,45.659 U3.3
PRG_RST: Q1.3 U2.1 | length 19.7
  Top Layer w0.6: v1(25.654,51.689) Q1.3 ; v1(25.654,62.484) U2.1@32.688,62.484
  Bottom Layer w0.6: v1(25.654,51.689) v1(25.654,62.484)
RST: U2.2 U3.1 | length 33
  Top Layer w0.6: v1(14.859,48.387) 14.987,48.259 15.834,48.259 16.534,47.559 U3.1 ; v1(14.869,61.251) 14.959,61.341 U2.2
  Bottom Layer w0.6: v1(14.859,48.387) 14.864,48.392 14.864,61.246 v1(14.869,61.251)
RTS: Q1.2 R21.2 U1.24 | length 59.2
  Top Layer w0.2: 79.629,61.306 79.729,61.206 U1.24
  Top Layer w0.6: Q1.2 32.693,52.639 32.759,52.705 R21.2 32.893,52.88 34.75,54.737 67.31,54.737 v1(67.437,54.61) ; v1(67.437,61.087) 73.514,61.087 73.733,61.306 79.629,61.306
  Bottom Layer w0.6: v1(67.437,54.61) v1(67.437,61.087)
RTS_GATE: Q2.1 R21.1 | length 20.1
  Top Layer w0.6: Q2.1 v1(37.973,44.45) ; R21.1 v1(38.1,52.705)
  Bottom Layer w0.6: v1(37.973,44.45) 38.036,44.514 38.036,52.642 v1(38.1,52.705)
RX: R23.2 U1.25 | length 37.5
  Top Layer w0.2: v1(78.359,59.944) 79.375,59.944 80.137,60.706 U1.25
  Top Layer w0.6: R23.2 72.452,88.328 78.422,88.328 v1(78.486,88.392)
  Bottom Layer w0.6: v1(78.359,59.944) 78.422,60.008 78.422,88.328 v1(78.486,88.392)
RX0: MD1.34 R23.1 | length 12.3
  Top Layer w0.6: MD1.34 60.809,87.225 61.849,88.265 R23.1
RXT: R26.1 U1.18 | length 30.7
  Top Layer w0.2: U1.18 83.566,65.405
  Top Layer w0.6: R26.1 71.31,49.466 73.948,49.466 v1(74.011,49.53) ; v1(74.277,65.804) 75.968,65.804 76.112,65.659 83.312,65.659 83.566,65.405
  Bottom Layer w0.6: v1(74.011,49.53) 74.011,65.063 74.149,65.202 74.149,65.675 v1(74.277,65.804)
RXT_A: D3.2 R26.2 | length 3.1
  Top Layer w0.6: D3.2 R26.2
TX: R22.2 U1.26 | length 41.7
  Top Layer w0.2: v1(77.216,58.039) 78.105,58.039 80.272,60.206 U1.26
  Top Layer w0.6: R22.2 v1(77.216,90.043)
  Bottom Layer w0.6: v1(77.216,58.039) v1(77.216,90.043)
TX0: MD1.35 R22.1 | length 12.5
  Top Layer w0.6: MD1.35 60.682,88.495 62.23,90.043 R22.1
TXT: R24.1 U1.19 | length 30
  Top Layer w0.2: 82.042,64.262 82.478,64.262 83.066,63.674 U1.19@83.066,63.125
  Top Layer w0.6: R24.1 v1(75.946,46.863) ; v1(75.946,64.262) 82.042,64.262
  Bottom Layer w0.6: v1(75.946,46.863) v1(75.946,64.262)
TXT_A: D2.2 R24.2 | length 3.1
  Top Layer w0.6: D2.2 R24.2
USB_D_M: D1.4 J4.2 U1.5 | length 29.1
  Top Layer w0.2: U1.5 84.066,57.539 v1(84.963,56.642) ; 92.456,46.228 92.657,46.429 J4.2
  Top Layer w0.6: v1(81.534,48.133) 81.555,48.112 83.356,48.112 D1.4 ; v1(86.995,45.974) 92.202,45.974 92.456,46.228
  Bottom Layer w0.6: v1(84.963,56.642) 81.534,53.213 v1(81.534,48.133) 83.693,45.974 v1(86.995,45.974)
USB_D_P: D1.3 J4.3 U1.4 | length 22.1
  Top Layer w0.2: 83.566,56.007 U1.4 ; 92.583,47.117 95.682,47.117 J4.3
  Top Layer w0.6: 83.566,56.007 v1(84.963,54.61) ; D1.3 85.299,48.112 86.72,48.112 v1(86.741,48.133) 91.567,48.133 92.583,47.117
  Bottom Layer w0.6: v1(84.963,54.61) 86.741,52.832 v1(86.741,48.133)
WDI: R31.2 U3.4 | length 2.8
  Top Layer w0.6: U3.4 19.267,45.626 21.938,45.626 R31.2
pads on no net: J1. J2. J3. J4.4 J5. J5.3 J5.6 MD1.4 MD1.5 MD1.6 MD1.7 MD1.12 MD1.17 MD1.18 MD1.19 MD1.20 MD1.21 MD1.22 MD1.32 U1.1 U1.2 U1.10 U1.12 U1.13 U1.14 U1.15 U1.16 U1.17 U1.20 U1.21 U1.22 U1.23 U1.27 X1.2 X1.3

## Polygon pours and split planes (outlines as drawn)
5V_IN on Top Layer "Top Layer-5V_IN" (solid, pour order 2): 78.613,50.673 96.774,50.673 96.774,38.735 78.613,38.735
5V on Top Layer "Top Layer-5V" (solid, pour order 0): 7.528,34.29 33.401,34.29 33.401,21.463 33.02,21.082 7.62,21.082
3V3 on Top Layer "Top Layer-3V3" (solid, pour order 3): 99.822,0 99.822,99.949 0,99.949 0,0
GND on Bottom Layer "Bottom Layer-GND" (solid, pour order 1): 0,99.949 99.822,99.949 99.822,0 0,0

## Silkscreen, mask and mechanical layers (free items; w line width, h text height)
Top Overlay:
  text "3V3_OB" at 23.114,38.481 h1.52
  text "5V_USB" at 22.86,28.956 h1.52

## Text inside footprints (layer, text, board x,y; h text height)
J4: Mechanical 1 "PCB EDGE" at 99.395,52.779 h1 r90